# Altium PCB KitKTS.PcbDoc (part 1 of 2) (continued)
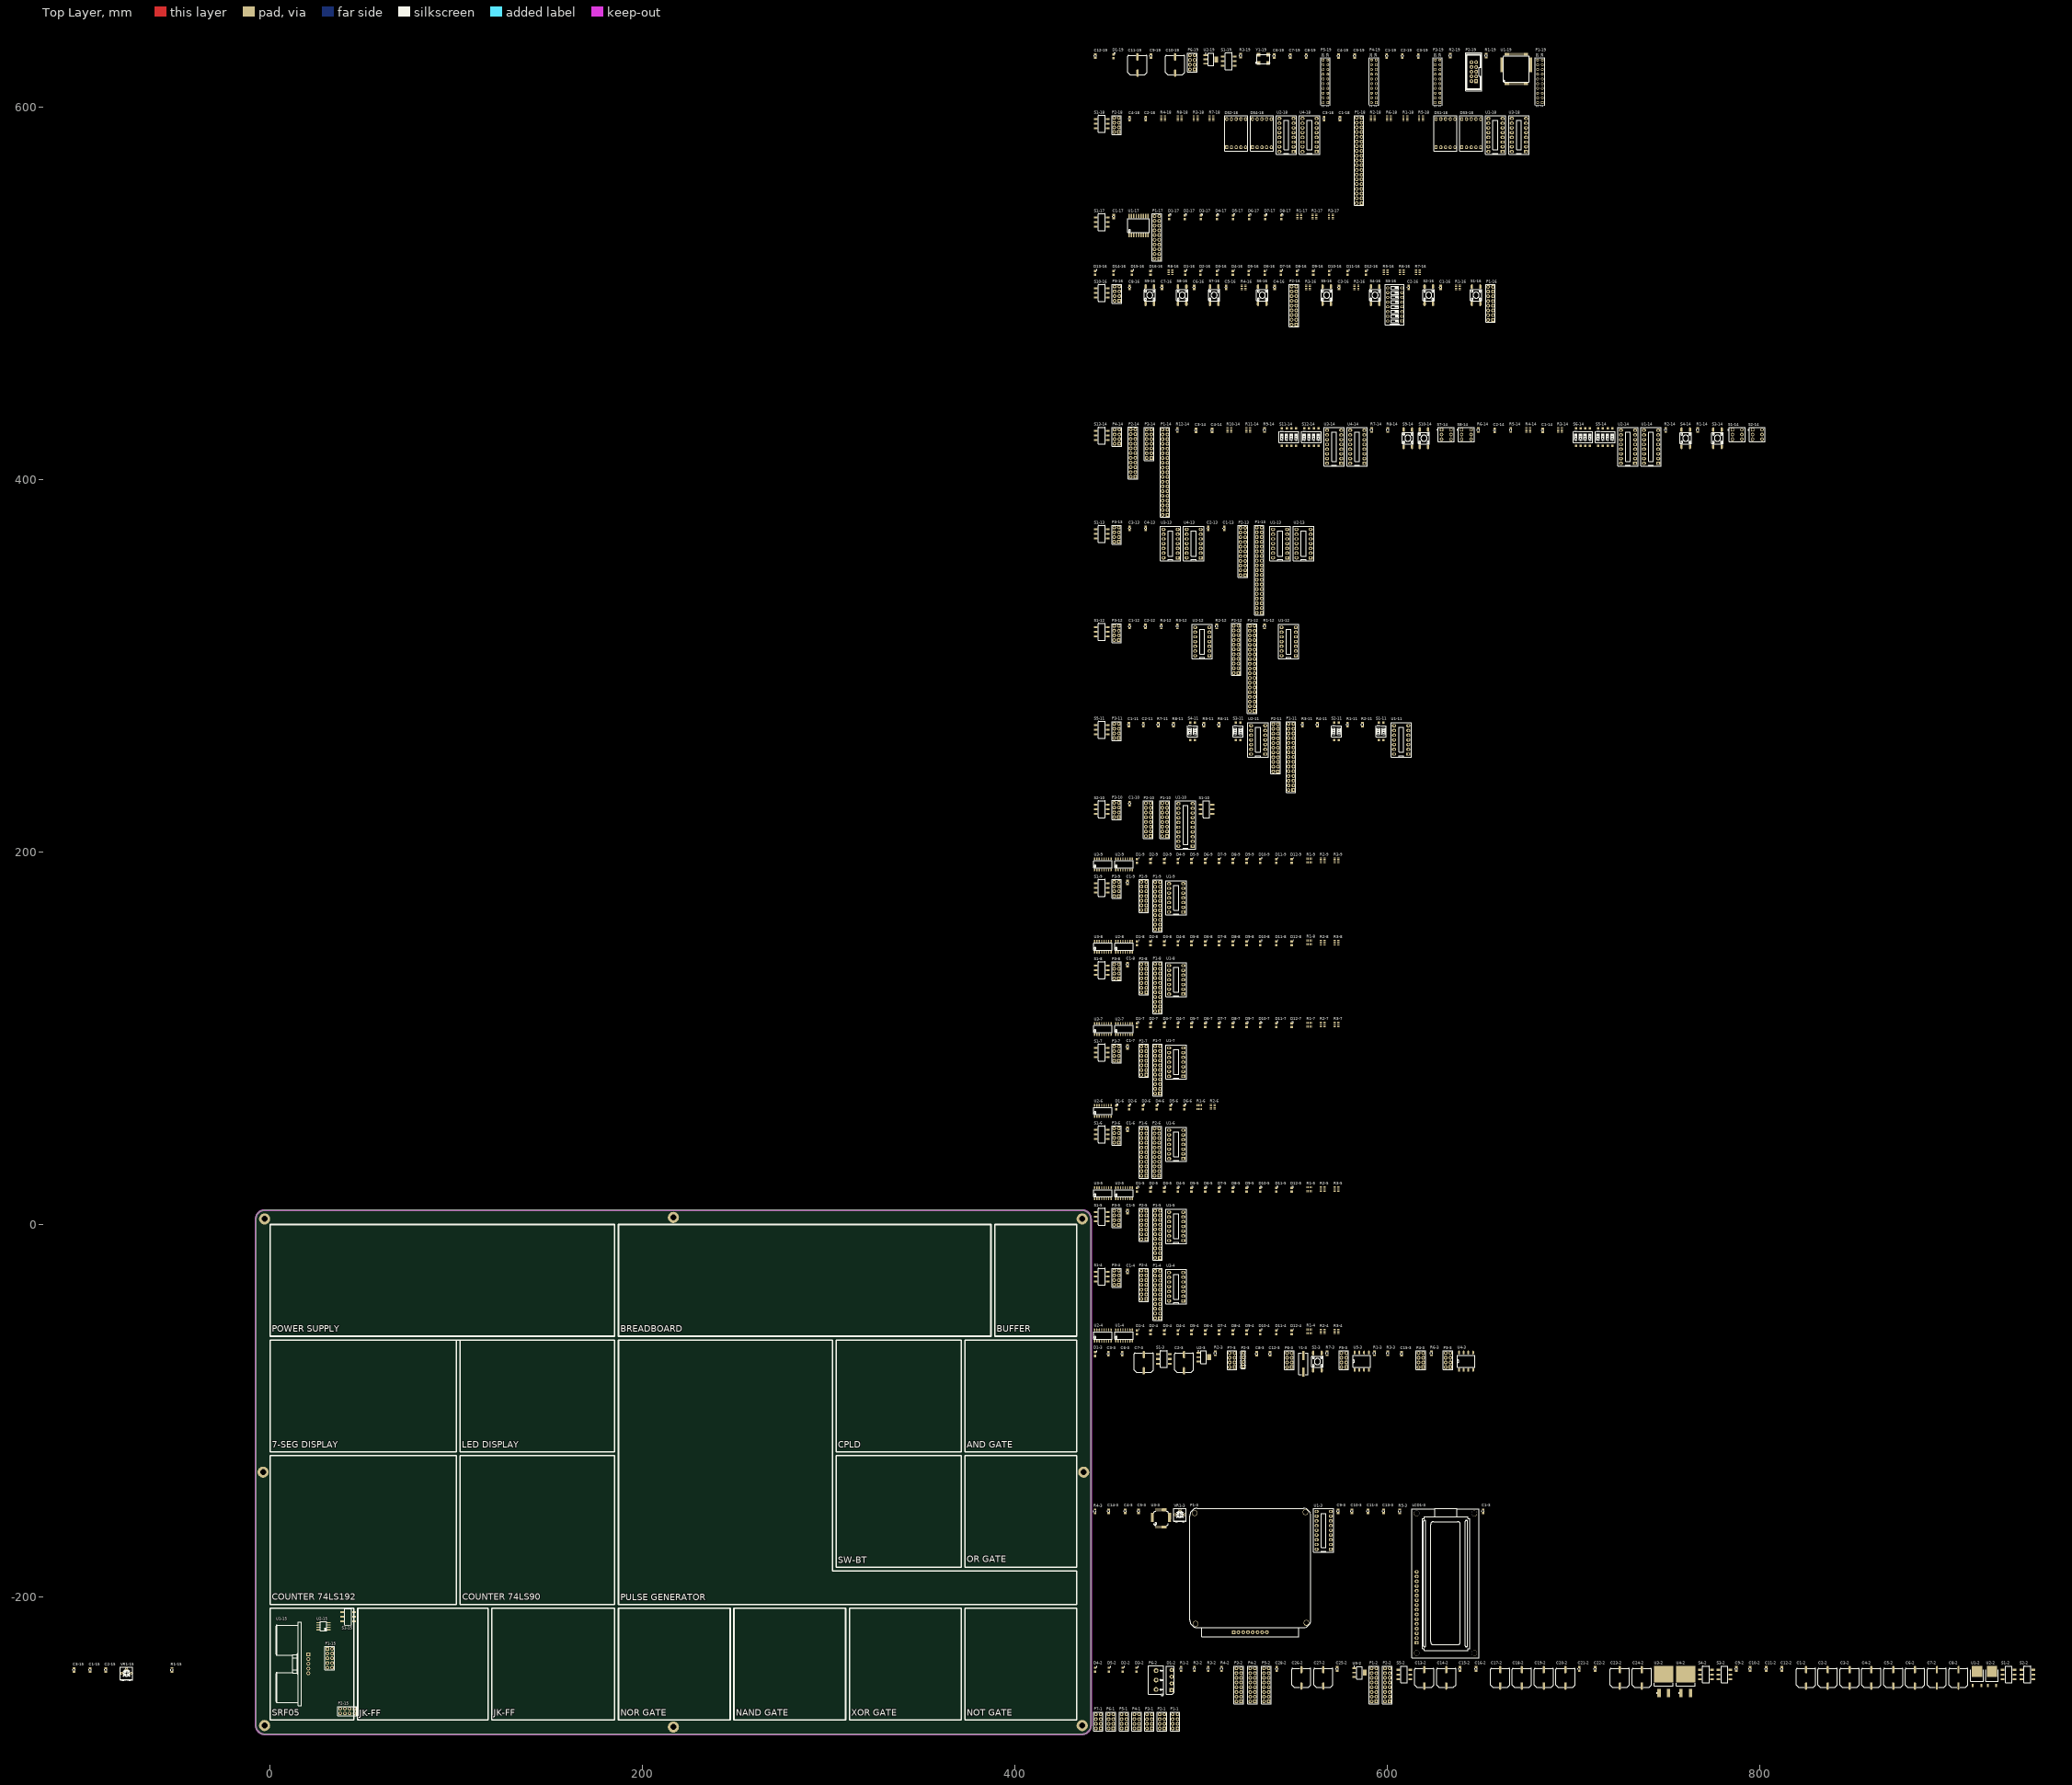
[diagram p0: Top Layer view]
## Components (designator, comment, footprint, x,y, rotation, side; value= is the part's Value field where it differs from the comment) (continued)
D6-9 "LED" LED-0805 502.067,195.189 r90 top
D6-16 "LED" LED-0805 534.067,510.988 r90 top
D6-17 "LED" LED-0805 525.667,540.788 r90 top
D7-4 "LED" LED-0805 509.467,-57.811 r90 top
D7-5 "LED" LED-0805 509.467,18.589 r90 top
D7-7 "LED" LED-0805 509.467,106.989 r90 top
D7-8 "LED" LED-0805 509.467,150.989 r90 top
D7-9 "LED" LED-0805 509.467,195.189 r90 top
D7-16 "LED" LED-0805 542.667,510.988 r90 top
D7-17 "LED" LED-0805 534.267,540.788 r90 top
D8-4 "LED" LED-0805 516.867,-57.811 r90 top
D8-5 "LED" LED-0805 516.867,18.589 r90 top
D8-7 "LED" LED-0805 516.867,106.989 r90 top
D8-8 "LED" LED-0805 516.867,150.989 r90 top
D8-9 "LED" LED-0805 516.867,195.189 r90 top
D8-16 "LED" LED-0805 551.267,510.988 r90 top
D8-17 "LED" LED-0805 542.867,540.788 r90 top
D9-4 "LED" LED-0805 524.267,-57.811 r90 top
D9-5 "LED" LED-0805 524.267,18.589 r90 top
D9-7 "LED" LED-0805 524.267,106.989 r90 top
D9-8 "LED" LED-0805 524.267,150.989 r90 top
D9-9 "LED" LED-0805 524.267,195.189 r90 top
D9-16 "LED" LED-0805 560.067,510.988 r90 top
D10-4 "LED" LED-0805 531.467,-57.811 r90 top
D10-5 "LED" LED-0805 531.467,18.589 r90 top
D10-7 "LED" LED-0805 531.467,106.989 r90 top
D10-8 "LED" LED-0805 531.467,150.989 r90 top
D10-9 "LED" LED-0805 531.467,195.189 r90 top
D10-16 "LED" LED-0805 568.667,510.988 r90 top
D11-4 "LED" LED-0805 540.267,-57.811 r90 top
D11-5 "LED" LED-0805 540.267,18.589 r90 top
D11-7 "LED" LED-0805 540.267,106.989 r90 top
D11-8 "LED" LED-0805 540.267,150.989 r90 top
D11-9 "LED" LED-0805 540.267,195.189 r90 top
D11-16 "LED" LED-0805 578.467,510.988 r90 top
D12-4 "LED" LED-0805 548.467,-57.811 r90 top
D12-5 "LED" LED-0805 548.467,18.589 r90 top
D12-7 "LED" LED-0805 548.467,106.989 r90 top
D12-8 "LED" LED-0805 548.467,150.989 r90 top
D12-9 "LED" LED-0805 548.467,195.189 r90 top
D12-16 "LED" LED-0805 588.267,510.988 r90 top
D13-16 "LED" LED-0805 442.867,510.988 r90 top
D14-16 "LED" LED-0805 452.867,510.988 r90 top
D15-16 "LED" LED-0805 462.667,510.988 r90 top
D16-16 "LED" LED-0805 472.667,510.988 r90 top
DS1-18 "Dpy Blue-CA" LED7-0.56inch 631.067,585.988 r0 top
DS2-18 "Dpy Blue-CA" LED7-0.56inch 518.667,585.988 r0 top
DS3-18 "Dpy Blue-CA" LED7-0.56inch 644.867,585.988 r0 top
DS4-18 "Dpy Blue-CA" LED7-0.56inch 532.467,585.988 r0 top
LCD1-3 "LCD1602" LCD-1602A 631.067,-192.611 r90 top
P1-1 "Header 4X2" JP2.54-F-2x04A 485.867,-266.81 r90 top
P1-2 "Header 8X2" JP2.54-F-2x08A 592.667,-247.21 r90 top value="Power Terminal"
P1-3 "Keypad4x4" KEYPAD-4x4A 526.267,-184.411 r0 top
P1-4 "Header 11X2" JP2.54-F-2x11A 476.467,-37.611 r90 top value="Logic AND Input"
P1-5 "Header 11X2" JP2.54-F-2x11A 476.467,-5.211 r90 top value="Logic OR Input"
P1-6 "Header 11X2" JP2.54-F-2x11A 469.067,38.789 r90 top value="Logic NOT Input"
P1-7 "Header 11X2" JP2.54-F-2x11A 476.467,82.989 r90 top value="Logic XOR Input"
P1-8 "Header 11X2" JP2.54-F-2x11A 476.467,127.189 r90 top value="Logic NAND Input"
P1-9 "Header 11X2" JP2.54-F-2x11A 476.467,171.189 r90 top value="Logic NOR Input"
P1-10 "Header 8X2" JP2.54-F-2x08A 480.267,217.389 r90 top value="Buffer Output"
P1-11 "Header 15X2" JP2.54-F-2x15A 548.067,250.989 r90 top value="D-FF Input"
P1-12 "Header 19X2" JP2.54-F-2x19A 527.267,299.788 r90 top value="JK-FF Input"
P1-13 "Header 19X2" JP2.54-F-2x19A 531.067,352.588 r90 top value="Counter Output"
P1-14 "Header 19X2" JP2.54-F-2x19A 480.467,405.188 r90 top value="Counter Output"
P1-15 "Header 5X2" JP2.54-F-2x05A 32,-232.88 r270 top value="SRF05 IO"
P1-16 "Header 8X2" JP2.54-F-2x08A 655.267,494.588 r90 top value="Switch Output"
P1-17 "H10X2" JP2.54-F-2x10A 476.067,529.988 r90 top value="Led Input"
P1-18 "Header 19X2" JP2.54-F-2x19A 584.667,572.588 r90 top value="Led7 Input"
P1-19 "H2" HDR2X10 683.067,602.388 r90 top value=IO
P2-1 "Header 4X2" JP2.54-F-2x04A 478.867,-266.81 r90 top
P2-2 "Header 8X2" JP2.54-F-2x08A 599.867,-247.21 r90 top value="Power Terminal"
P2-3 "H4" JP2.54-M-1x04A 522.467,-72.611 r90 top value=Programmer
P2-4 "H7X2" JP2.54-F-2x07A 469.067,-32.411 r90 top value="Logic AND Output"
P2-5 "H7X2" JP2.54-F-2x07A 469.067,-0.211 r90 top value="Logic OR Output"
P2-6 "Header 11X2" JP2.54-F-2x11A 476.067,38.789 r90 top value="Logic NOT Output"
P2-7 "H7X2" JP2.54-F-2x07A 469.067,87.989 r90 top value="Logic XOR Output"
P2-8 "H7X2" JP2.54-F-2x07A 469.067,132.189 r90 top value="Logic NAND Output"
P2-9 "H7X2" JP2.54-F-2x07A 469.067,176.389 r90 top value="Logic NOR Output"
P2-10 "Header 8X2" JP2.54-F-2x08A 471.467,217.389 r90 top value="Buffer Input"
P2-11 "Header 11X2" JP2.54-F-2x11A 539.867,255.989 r90 top value="D-FF Output"
P2-12 "Header 11X2" JP2.54-F-2x11A 518.667,308.788 r90 top value="JK-FF Output"
P2-13 "Header 11X2" JP2.54-F-2x11A 522.267,361.388 r90 top value="Counter Input"
P2-14 "Header 11X2" JP2.54-F-2x11A 463.267,414.188 r90 top value="Counter Input"
P2-15 "Header 4X2" JP2.54-F-2x04A 41.4,-261.28 r180 top
P2-16 "Header 9X2" JP2.54-F-2x09A 549.667,493.388 r90 top value="Button Output"
P2-18 "Header 4X2" JP2.54-F-2x04A 454.467,590.388 r90 top
P2-19 "IDE5x2" CONN-IDC-5X2-A 646.267,618.988 r90 top value="Jtag Conn"
P3-1 "Header 4X2" JP2.54-F-2x04A 472.067,-266.81 r90 top
P3-2 "Header 8X2" JP2.54-F-2x08A 520.067,-247.21 r90 top value="Power Terminal"
P3-3 "Header 4X2" JP2.54-F-2x04A 632.467,-72.811 r90 top
P3-4 "Header 4X2" JP2.54-F-2x04A 454.467,-28.611 r90 top
P3-5 "Header 4X2" JP2.54-F-2x04A 454.467,3.589 r90 top
P3-6 "Header 4X2" JP2.54-F-2x04A 454.467,47.789 r90 top
P3-7 "Header 4X2" JP2.54-F-2x04A 454.467,91.789 r90 top
P3-8 "Header 4X2" JP2.54-F-2x04A 454.467,135.989 r90 top
P3-9 "Header 4X2" JP2.54-F-2x04A 454.467,180.189 r90 top
P3-10 "Header 4X2" JP2.54-F-2x04A 454.467,222.589 r90 top
P3-11 "Header 4X2" JP2.54-F-2x04A 454.467,264.989 r90 top
P3-12 "Header 4X2" JP2.54-F-2x04A 454.467,317.588 r90 top
P3-13 "Header 4X2" JP2.54-F-2x04A 454.467,370.388 r90 top
P3-14 "Header 7X2" JP2.54-F-2x07A 471.867,419.188 r90 top value="Clock Output"
P3-16 "Header 4X2" JP2.54-F-2x04A 454.667,499.788 r90 top
P3-19 "H2" HDR2X10 628.067,602.388 r90 top value=IO
P4-1 "Header 4X2" JP2.54-F-2x04A 465.267,-266.81 r90 top
P4-2 "Header 8X2" JP2.54-F-2x08A 527.467,-247.21 r90 top value="Power Terminal"
P4-3 "Header 4X2" JP2.54-F-2x04A 617.867,-72.811 r90 top
P4-14 "Header 4X2" JP2.54-F-2x04A 454.667,422.988 r90 top
P4-19 "H2" HDR2X10 593.867,602.388 r90 top value=IO
P5-1 "Header 4X2" JP2.54-F-2x04A 458.467,-266.81 r90 top
P5-2 "Header 8X2" JP2.54-F-2x08A 534.867,-247.21 r90 top value="Power Terminal"
P5-3 "Header 4X2" JP2.54-F-2x04A 576.467,-72.811 r90 top
P5-19 "H2" HDR2X10 567.867,602.388 r90 top value=IO
P6-1 "Header 4X2" JP2.54-F-2x04A 451.467,-266.81 r90 top
P6-2 "H3" TER-KF128-3 475.667,-244.61 r90 top value="Power Supply"
P6-3 "Header 4X2" JP2.54-F-2x04A 547.267,-72.811 r90 top
P6-19 "Header 4X2" JP2.54-F-2x04A 495.067,623.988 r90 top
P7-1 "Header 4X2" JP2.54-F-2x04A 444.667,-266.81 r90 top
P7-3 "Header 4X2" JP2.54-F-2x04A 516.467,-72.811 r90 top
R1-2 "332" R-0805 489.067,-238.61 r90 top value=3K3
R1-3 "Res1" R-0805 592.867,-69.211 r90 top value=10K
R1-4 "330R" R-Array-0603-4 557.867,-57.411 r0 top
R1-5 "330R" R-Array-0603-4 557.867,18.989 r0 top
R1-6 "330R" R-Array-0603-4 498.867,62.989 r0 top
R1-7 "330R" R-Array-0603-4 557.867,107.189 r0 top
R1-8 "330R" R-Array-0603-4 557.867,151.389 r0 top
R1-9 "330R" R-Array-0603-4 557.867,195.389 r0 top
R1-11 "10K" R-0805 578.467,268.389 r90 top
R1-12 "10K" R-0805 533.867,321.188 r90 top
R1-14 "10K" R-0805 766.467,426.588 r90 top
R1-15 "562" R-0805 -52.73,-239.2 r90 top value=5K6
R1-16 "103" R-Array-0603-4 637.667,503.188 r90 top value=10K
R1-17 "330R" R-Array-0603-4 552.467,541.188 r90 top
R1-18 "220R" R-Array-0603-4 609.467,593.988 r90 top
R1-19 "10K" R-0805 652.867,627.588 r90 top
R2-2 "331" R-0805 496.267,-238.61 r90 top value=330R
R2-3 "331" R-0805 507.467,-69.211 r90 top value=330R
R2-4 "330R" R-Array-0603-4 565.067,-57.411 r90 top
R2-5 "330R" R-Array-0603-4 565.067,18.989 r90 top
R2-6 "330R" R-Array-0603-4 506.067,63.189 r90 top
R2-7 "330R" R-Array-0603-4 565.067,107.389 r90 top
R2-8 "330R" R-Array-0603-4 565.067,151.389 r90 top
R2-9 "330R" R-Array-0603-4 565.067,195.589 r90 top
R2-11 "10K" R-0805 586.467,268.389 r90 top
R2-12 "10K" R-0805 508.267,321.188 r90 top
R2-14 "10K" R-0805 749.267,426.588 r90 top
R2-16 "103" R-Array-0603-4 583.267,503.188 r90 top value=10K
R2-17 "330R" R-Array-0603-4 560.667,541.188 r90 top
R2-18 "220R" R-Array-0603-4 592.067,593.988 r90 top
R2-19 "1K" R-0805 633.667,627.588 r90 top
R3-2 "332" R-0805 503.667,-238.61 r90 top value=3K3
R3-3 "47R" R-0805 600.067,-69.211 r90 top
R3-4 "330R" R-Array-0603-4 572.467,-57.411 r90 top
R3-5 "330R" R-Array-0603-4 572.467,18.989 r90 top
R3-7 "330R" R-Array-0603-4 572.467,107.389 r90 top
R3-8 "330R" R-Array-0603-4 572.467,151.389 r90 top
R3-9 "330R" R-Array-0603-4 572.467,195.589 r90 top
R3-11 "10K" R-0805 554.267,268.389 r90 top
R3-12 "10K" R-0805 487.067,321.188 r90 top
R3-14 "10K" R-Array-0603-4 692.467,426.588 r90 top
R3-16 "103" R-Array-0603-4 557.267,503.188 r90 top value=10K
R3-17 "330R" R-Array-0603-4 569.467,541.188 r90 top
R3-18 "220R" R-Array-0603-4 496.867,593.988 r90 top
R3-19 "331" R-0805 521.067,627.588 r90 top value=330R
R4-2 "331" R-0805 510.867,-238.61 r90 top value=330R
R4-3 "47R" R-0805 442.867,-154.011 r90 top
R4-11 "10K" R-0805 562.267,268.389 r90 top
R4-12 "10K" R-0805 478.467,321.188 r90 top
R4-14 "10K" R-Array-0603-4 675.467,426.588 r90 top
R4-16 "103" R-Array-0603-4 522.667,503.188 r90 top value=10K
R4-18 "220R" R-Array-0603-4 479.467,593.988 r90 top
R5-3 "220R" R-0805 606.467,-154.011 r90 top
R5-11 "10K" R-0805 501.267,268.389 r90 top
R5-14 "10K" R-0805 666.067,426.588 r90 top
R5-16 "220R" R-Array-0603-4 598.867,511.388 r90 top
R5-18 "220R" R-Array-0603-4 617.867,593.988 r90 top
R6-3 "Res1" R-0805 623.467,-69.211 r90 top value=10K
R6-11 "10K" R-0805 509.467,268.389 r90 top
R6-14 "10K" R-0805 648.667,426.588 r90 top
R6-16 "220R" R-Array-0603-4 607.667,511.388 r90 top
R6-18 "220R" R-Array-0603-4 600.667,593.988 r90 top
R7-3 "Res1" R-0805 567.467,-69.211 r90 top value=10K
R7-11 "10K" R-0805 476.867,268.389 r90 top
R7-14 "10K" R-0805 591.467,426.588 r90 top
R7-16 "220R" R-Array-0603-4 616.267,511.388 r90 top
R7-18 "220R" R-Array-0603-4 505.467,593.988 r90 top
R8-11 "10K" R-0805 485.067,268.389 r90 top
R8-14 "10K" R-0805 600.067,426.588 r90 top
R8-16 "220R" R-Array-0603-4 483.467,511.388 r90 top
R8-18 "220R" R-Array-0603-4 488.267,593.988 r90 top
R9-14 "10K" R-0805 533.867,426.588 r90 top
R10-14 "10K" R-Array-0603-4 515.067,426.588 r90 top
R11-14 "10K" R-Array-0603-4 525.067,426.588 r90 top
R12-14 "10K" R-0805 487.067,426.588 r90 top
S1-2 "SW-SPDT" SW-SLIDE-2P-2W 933.466,-241.61 r0 top
S1-3 "SW-SPDT" SW-SLIDE-2P-2W 479.867,-72.211 r0 top
S1-4 "SW-SPDT" SW-SLIDE-2P-2W 446.467,-28.011 r0 top
S1-5 "SW-SPDT" SW-SLIDE-2P-2W 446.467,4.189 r0 top
S1-6 "SW-SPDT" SW-SLIDE-2P-2W 446.467,48.389 r0 top
S1-7 "SW-SPDT" SW-SLIDE-2P-2W 446.467,92.389 r0 top
S1-8 "SW-SPDT" SW-SLIDE-2P-2W 446.467,136.589 r0 top
S1-9 "SW-SPDT" SW-SLIDE-2P-2W 446.467,180.789 r0 top
S1-10 "SW-SPDT" SW-SLIDE-2P-2W 502.667,222.989 r0 top
S1-11 "SW DIP-2" SW-DIP2-SMD 596.467,264.789 r0 top
S1-12 "SW-SPDT" SW-SLIDE-2P-2W 446.467,318.188 r0 top
S1-13 "SW-SPDT" SW-SLIDE-2P-2W 446.467,370.788 r0 top
S1-14 "SW-DPDT" DPDT-6 787.667,424.188 r0 top
S1-15 "SW-SPDT" SW-SLIDE-2P-2W 41.8,-210.68 r180 top
S1-16 "SW-S6" SW-T-S6-SMD 647.467,498.988 r0 top
S1-17 "SW-SPDT" SW-SLIDE-2P-2W 446.467,538.188 r0 top
S1-18 "SW-SPDT" SW-SLIDE-2P-2W 446.467,590.988 r0 top
S1-19 "SW-SPDT" SW-SLIDE-2P-2W 514.667,624.588 r0 top
S2-2 "SW-SPDT" SW-SLIDE-2P-2W 943.466,-241.61 r0 top
S2-3 "SW-S6" SW-T-S6-SMD 562.267,-73.611 r0 top value=Reset
S2-10 "SW-SPDT" SW-SLIDE-2P-2W 446.467,222.989 r0 top
S2-11 "SW DIP-2" SW-DIP2-SMD 572.467,264.789 r0 top
S2-14 "SW-DPDT" DPDT-6 798.467,424.188 r0 top
S2-16 "SW-S6" SW-T-S6-SMD 622.067,498.988 r0 top
S3-2 "SW-SPDT" SW-SLIDE-2P-2W 780.867,-241.61 r0 top
S3-11 "SW DIP-2" SW-DIP2-SMD 519.667,264.789 r0 top
S3-14 "SW-S6" SW-T-S6-SMD 777.067,422.188 r0 top value=PreSet
S3-16 "SW DIP-8" SW-DIP8 603.867,493.988 r90 top
S4-2 "SW-SPDT" SW-SLIDE-2P-2W 770.867,-241.61 r0 top
S4-11 "SW DIP-2" SW-DIP2-SMD 495.267,264.789 r0 top
S4-14 "SW-S6" SW-T-S6-SMD 760.067,422.188 r0 top value=PreSet
S4-16 "SW-S6" SW-T-S6-SMD 593.267,498.988 r0 top
S5-2 "SW-SPDT" SW-SLIDE-2P-2W 608.867,-241.61 r0 top
S5-11 "SW-SPDT" SW-SLIDE-2P-2W 446.467,265.589 r0 top
S5-14 "SW DIP-4" SW-DIP4-SMD 716.867,422.788 r0 top value="PreSet Bits"
S5-16 "SW-S6" SW-T-S6-SMD 567.267,498.988 r0 top
S6-14 "SW DIP-4" SW-DIP4-SMD 704.867,422.788 r0 top value="PreSet Bits"
S6-16 "SW-S6" SW-T-S6-SMD 532.667,498.988 r0 top
S7-14 "SW-DPDT" DPDT-6 631.467,424.188 r0 top
S7-16 "SW-S6" SW-T-S6-SMD 506.867,498.988 r0 top
S8-14 "SW-DPDT" DPDT-6 642.267,424.188 r0 top
S8-16 "SW-S6" SW-T-S6-SMD 489.667,498.988 r0 top
S9-14 "SW-S6" SW-T-S6-SMD 610.867,422.188 r0 top value=PreSet
S9-16 "SW-S6" SW-T-S6-SMD 472.267,498.988 r0 top
S10-14 "SW-S6" SW-T-S6-SMD 619.467,422.188 r0 top value=PreSet
S10-16 "SW-SPDT" SW-SLIDE-2P-2W 446.467,500.188 r0 top
S11-14 "SW DIP-4" SW-DIP4-SMD 547.067,422.788 r0 top value="PreSet Bits"
S12-14 "SW DIP-4" SW-DIP4-SMD 559.067,422.788 r0 top value="PreSet Bits"
S13-14 "SW-SPDT" SW-SLIDE-2P-2W 446.467,423.588 r0 top
U1-2 "78M12" TO-252-3 916.466,-243.81 r90 top
U1-3 "MM74C922N" SK-DIP18-300 565.667,-164.211 r90 top
U1-4 "ULN2003A" SOIC-16 458.467,-59.611 r0 top
U1-5 "SN74HC32N" SK-DIP14-300 486.467,-1.011 r90 top
U1-6 "SN74HC04N" SK-DIP14-300 486.467,42.989 r90 top
U1-7 "CD4030CN" SK-DIP14-300 486.467,87.189 r90 top
U1-8 "SN74HC00N" SK-DIP14-300 486.467,131.389 r90 top
U1-9 "SN74HC02N" SK-DIP14-300 486.467,175.389 r90 top
U1-10 "DM74HC245N" SK-DIP20-300 491.467,214.589 r90 top
U1-11 "CD4013BCN" SK-DIP14-300 607.267,260.189 r90 top
U1-12 "DM74LS73AN" SK-DIP14-300 546.867,312.988 r90 top
U1-13 "DM74LS90N" SK-DIP14-300 542.267,365.588 r90 top
U1-14 "SN74LS192N" SK-DIP16-300 741.467,417.588 r90 top
U1-15 "HY-SRF05" MDL-SRF05A 11.8,-235.88 r270 top
U1-17 "ULN2803LW" SOIC-18-W 466.267,536.388 r0 top
U1-18 "DM74LS47N" SK-DIP16-300 657.867,584.988 r90 top
U1-19 "EPM240T100C5N" TQFP-100 669.067,620.388 r0 top
U2-2 "78M05" TO-252-3 924.466,-243.81 r90 top
U2-3 "LM1117-3.3" SOT-223-3 501.267,-71.211 r0 top
U2-4 "ULN2003A" SOIC-16 447.067,-59.611 r0 top
U2-5 "ULN2003A" SOIC-16 458.467,16.789 r0 top
U2-6 "ULN2003A" SOIC-16 447.067,60.989 r0 top
U2-7 "ULN2003A" SOIC-16 458.467,104.989 r0 top
U2-8 "ULN2003A" SOIC-16 458.467,149.189 r0 top
U2-9 "ULN2003A" SOIC-16 458.467,193.389 r0 top
U2-11 "CD4013BCN" SK-DIP14-300 530.467,260.189 r90 top
U2-12 "DM74LS73AN" SK-DIP14-300 500.467,312.988 r90 top
U2-13 "DM74LS90N" SK-DIP14-300 554.867,365.588 r90 top
U2-14 "SN74LS192N" SK-DIP16-300 729.067,417.588 r90 top
U2-15 "NE555D" SOIC-8 28.6,-215.68 r180 top
U2-18 "DM74LS47N" SK-DIP16-300 545.667,584.988 r90 top
U2-19 "LM1117-3.3" SOT-223-3 505.067,625.588 r0 top
U3-2 "LM7912CT" TO-263-3 748.267,-245.41 r90 top
U3-3 "STM32F103C8T6" LQFP-48 478.267,-157.811 r0 top
U3-4 "MC74HC08AN" SK-DIP14-300 486.467,-33.411 r90 top
U3-5 "ULN2003A" SOIC-16 447.067,16.789 r0 top
U3-7 "ULN2003A" SOIC-16 447.067,104.989 r0 top
U3-8 "ULN2003A" SOIC-16 447.067,149.189 r0 top
U3-9 "ULN2003A" SOIC-16 447.067,193.389 r0 top
U3-13 "DM74LS90N" SK-DIP14-300 483.467,365.588 r90 top
U3-14 "SN74LS192N" SK-DIP16-300 571.267,417.588 r90 top
U3-18 "DM74LS47N" SK-DIP16-300 670.467,584.988 r90 top
U4-2 "LM7905CT" TO-263-3 760.067,-245.41 r90 top
U4-3 "OPTO 6N137" DIP8-300-SMD 642.067,-73.411 r0 top value=6N137
U4-13 "DM74LS90N" SK-DIP14-300 495.867,365.588 r90 top
U4-14 "SN74LS192N" SK-DIP16-300 583.667,417.588 r90 top
U4-18 "DM74LS47N" SK-DIP16-300 558.067,584.988 r90 top
U5-2 "LM1117-3.3" SOT-223-3 584.867,-240.61 r0 top
U5-3 "OPTO 6N137" DIP8-300-SMD 586.067,-73.411 r0 top value=6N137
VR1-3 "10K" VR-3362P 488.467,-155.811 r0 top
VR1-15 "50K" VR-3362P -77.13,-241 r0 top
Y1-3 "8MHz" XTAL-CSM7 554.667,-74.811 r90 top
Y1-19 "50MHz" XTAL-SMD5070 533.267,625.788 r0 top

## Footprints (in the part's own frame and the unit in brackets; to place one, negate y for a bottom-side part, rotate by r counter-clockwise, add the part's x,y. Pads: shape width x height; smd on the part's side, far side on the other; paste and mask are expansions set on the pad)
c-0805 [mm] "Chip Capacitor, 2-Leads, Body 2.0x1.3mm, IPC Medium Density"
  rect 1.15x1.4 smd: 1(-0.925,0) 2(0.925,0)
  silkscreen extent -0.22,-0.6 0.23,0.6, body extent -1,-0.63 1,0.63, height 0.5
C-ALU-10x10mm [mm] "C-10x10mm"
  oval 1.2x4 smd: 1(0,-4.374) 2(0,4.374)
  silkscreen extent -5.15,-5.15 5.15,5.15, body extent -5.15,-5.65 5.15,5.65, height 10.01
CONN-IDC-5X2-A [mm]
  rect 2x2 hole 1: 1(-5.08,-1.27)
  round 2 hole 1: 2(-5.08,1.27) 3(-2.54,-1.27) 4(-2.54,1.27) 5(0,-1.27) 6(0,1.27) 7(2.54,-1.27) 8(2.54,1.27) 9(5.08,-1.27) 10(5.08,1.27)
  silkscreen extent -10.15,-4.35 10.15,4.6, body extent -10.15,-4.48 10.15,4.48, height 9
D-DB-3A [mm] "KBP307"
  rect 2.2x2.2 hole 1: 1(-5.4,-0.73)
  round 2.2 hole 1: 2(-1.8,-0.73) 3(1.8,-0.73) 4(5.4,-0.73)
  silkscreen extent -7.5,-2 7.5,2, body extent -7.5,-2 7.5,2, height 12.68
DIP8-300-SMD [mm]
  rect 1x2 smd: 1(-3.81,-4.666)
  oval 1x2 smd: 2(-1.27,-4.666) 3(1.27,-4.666) 4(3.81,-4.666) 5(3.81,4.666) 6(1.27,4.666) 7(-1.27,4.666) 8(-3.81,4.666)
  silkscreen extent -4.69,-3.23 4.7,3.24, body extent -4.69,-5.05 4.7,5.05, height 4.43
DPDT-6 [mm] "Switch; 6 Leads"
  rect 1.85x1.85 hole 1.1: 1(-2.54,2.54)
  round 1.85 hole 1.1: 2(-2.54,0) 3(-2.54,-2.54) 4(2.54,-2.54) 5(2.54,0) 6(2.54,2.54)
  silkscreen extent -4.96,-3.81 4.28,3.81
HDR2X10 [mm] "Connector; Header; 10x2 Position"
  rect 1.5x1.5 hole 0.9: 1(0,0)
  round 1.5 hole 0.9: 2(0,2.54) 3(2.54,0) 4(2.54,2.54) 5(5.08,0) 6(5.08,2.54) 7(7.62,0) 8(7.62,2.54) 9(10.16,0) 10(10.16,2.54) 11(12.7,0) 12(12.7,2.54) 13(15.24,0) 14(15.24,2.54) 15(17.78,0) 16(17.78,2.54) 17(20.32,0) 18(20.32,2.54) 19(22.86,0) 20(22.86,2.54)
  silkscreen extent -1.27,-1.27 24.13,3.81
JP2.54-F-2x04A [mm] "Header rang luoc cai, kep, thang, 2.54mm"
  rect 2x2 hole 1: 1(-3.81,-1.27)
  round 2 hole 1: 2(-3.81,1.27) 3(-1.27,-1.27) 4(-1.27,1.27) 5(1.27,-1.27) 6(1.27,1.27) 7(3.81,-1.27) 8(3.81,1.27)
  silkscreen extent -5.08,-2.54 5.08,2.54, body extent -5.08,-2.54 5.08,2.54, height 8.55
JP2.54-F-2x05A [mm] "Header rang luoc cai, kep, thang, 2.54mm"
  rect 2x2 hole 1: 1(-5.08,-1.27)
  round 2 hole 1: 2(-5.08,1.27) 3(-2.54,-1.27) 4(-2.54,1.27) 5(0,-1.27) 6(0,1.27) 7(2.54,-1.27) 8(2.54,1.27) 9(5.08,-1.27) 10(5.08,1.27)
  silkscreen extent -6.35,-2.54 6.35,2.54, body extent -6.35,-2.54 6.35,2.54, height 8.55
JP2.54-F-2x07A [mm] "Header rang luoc cai, kep, thang, 2.54mm"
  rect 2x2 hole 1: 1(-7.62,-1.27)
  round 2 hole 1: 2(-7.62,1.27) 3(-5.08,-1.27) 4(-5.08,1.27) 5(-2.54,-1.27) 6(-2.54,1.27) 7(0,-1.27) 8(0,1.27) 9(2.54,-1.27) 10(2.54,1.27) 11(5.08,-1.27) 12(5.08,1.27) 13(7.62,-1.27) 14(7.62,1.27)
  silkscreen extent -8.89,-2.54 8.88,2.54, body extent -8.89,-2.54 8.89,2.54, height 8.55
JP2.54-F-2x08A [mm] "Header rang luoc cai, kep, thang, 2.54mm"
  rect 2x2 hole 1: 1(-8.89,-1.27)
  round 2 hole 1: 2(-8.89,1.27) 3(-6.35,-1.27) 4(-6.35,1.27) 5(-3.81,-1.27) 6(-3.81,1.27) 7(-1.27,-1.27) 8(-1.27,1.27) 9(1.27,-1.27) 10(1.27,1.27) 11(3.81,-1.27) 12(3.81,1.27) 13(6.35,-1.27) 14(6.35,1.27) 15(8.89,-1.27) 16(8.89,1.27)
  silkscreen extent -10.16,-2.54 10.16,2.54, body extent -10.16,-2.54 10.16,2.54, height 8.55
JP2.54-F-2x09A [mm] "Header rang luoc cai, kep, thang, 2.54mm"
  rect 2x2 hole 1: 1(-10.16,-1.27)
  round 2 hole 1: 2(-10.16,1.27) 3(-7.62,-1.27) 4(-7.62,1.27) 5(-5.08,-1.27) 6(-5.08,1.27) 7(-2.54,-1.27) 8(-2.54,1.27) 9(0,-1.27) 10(0,1.27) 11(2.54,-1.27) 12(2.54,1.27) 13(5.08,-1.27) 14(5.08,1.27) 15(7.62,-1.27) 16(7.62,1.27) 17(10.16,-1.27) 18(10.16,1.27)
  silkscreen extent -11.43,-2.54 11.44,2.54, body extent -11.43,-2.54 11.43,2.54, height 8.55
JP2.54-F-2x10A [mm] "Header rang luoc cai, kep, thang, 2.54mm"
  rect 2x2 hole 1: 1(-11.43,-1.27)
  round 2 hole 1: 2(-11.43,1.27) 3(-8.89,-1.27) 4(-8.89,1.27) 5(-6.35,-1.27) 6(-6.35,1.27) 7(-3.81,-1.27) 8(-3.81,1.27) 9(-1.27,-1.27) 10(-1.27,1.27) 11(1.27,-1.27) 12(1.27,1.27) 13(3.81,-1.27) 14(3.81,1.27) 15(6.35,-1.27) 16(6.35,1.27) 17(8.89,-1.27) 18(8.89,1.27) 19(11.43,-1.27) 20(11.43,1.27)
  silkscreen extent -12.7,-2.54 12.7,2.54, body extent -12.7,-2.54 12.7,2.54, height 8.55
JP2.54-F-2x11A [mm] "Header rang luoc cai, kep, thang, 2.54mm"
  rect 2x2 hole 1: 1(-12.7,-1.27)
  round 2 hole 1: 2(-12.7,1.27) 3(-10.16,-1.27) 4(-10.16,1.27) 5(-7.62,-1.27) 6(-7.62,1.27) 7(-5.08,-1.27) 8(-5.08,1.27) 9(-2.54,-1.27) 10(-2.54,1.27) 11(0,-1.27) 12(0,1.27) 13(2.54,-1.27) 14(2.54,1.27) 15(5.08,-1.27) 16(5.08,1.27) 17(7.62,-1.27) 18(7.62,1.27) 19(10.16,-1.27) 20(10.16,1.27) 21(12.7,-1.27) 22(12.7,1.27)
  silkscreen extent -13.97,-2.54 13.97,2.54, body extent -13.97,-2.54 13.97,2.54, height 8.55
JP2.54-F-2x15A [mm] "Header rang luoc cai, kep, thang, 2.54mm"
  rect 2x2 hole 1: 1(-17.78,-1.27)
  round 2 hole 1: 2(-17.78,1.27) 3(-15.24,-1.27) 4(-15.24,1.27) 5(-12.7,-1.27) 6(-12.7,1.27) 7(-10.16,-1.27) 8(-10.16,1.27) 9(-7.62,-1.27) 10(-7.62,1.27) 11(-5.08,-1.27) 12(-5.08,1.27) 13(-2.54,-1.27) 14(-2.54,1.27) 15(0,-1.27) 16(0,1.27) 17(2.54,-1.27) 18(2.54,1.27) 19(5.08,-1.27) 20(5.08,1.27) 21(7.62,-1.27) 22(7.62,1.27) 23(10.16,-1.27) 24(10.16,1.27) 25(12.7,-1.27) 26(12.7,1.27) 27(15.24,-1.27) 28(15.24,1.27) 29(17.78,-1.27) 30(17.78,1.27)
  silkscreen extent -19.05,-2.54 19.05,2.54, body extent -19.05,-2.54 19.05,2.54, height 8.55
JP2.54-F-2x19A [mm] "Header rang luoc cai, kep, thang, 2.54mm"
  rect 2x2 hole 1: 1(-24.13,-1.27)
  round 2 hole 1: 2(-24.13,1.27) 3(-21.59,-1.27) 4(-21.59,1.27) 5(-19.05,-1.27) 6(-19.05,1.27) 7(-16.51,-1.27) 8(-16.51,1.27) 9(-13.97,-1.27) 10(-13.97,1.27) 11(-11.43,-1.27) 12(-11.43,1.27) 13(-8.89,-1.27) 14(-8.89,1.27) 15(-6.35,-1.27) 16(-6.35,1.27) 17(-3.81,-1.27) 18(-3.81,1.27) 19(-1.27,-1.27) 20(-1.27,1.27) 21(1.27,-1.27) 22(1.27,1.27) 23(3.81,-1.27) 24(3.81,1.27) 25(6.35,-1.27) 26(6.35,1.27) 27(8.89,-1.27) 28(8.89,1.27) 29(11.43,-1.27) 30(11.43,1.27) 31(13.97,-1.27) 32(13.97,1.27) 33(16.51,-1.27) 34(16.51,1.27) 35(19.05,-1.27) 36(19.05,1.27) 37(21.59,-1.27) 38(21.59,1.27)
  silkscreen extent -25.4,-2.54 22.86,2.54, body extent -25.4,-2.54 22.86,2.54, height 8.55
JP2.54-M-1x04A [mm] "Jump luoc duc, 2.54mm, thang,"
  rect 2x2 hole 1: 1(-3.79,0)
  round 2 hole 1: 2(-1.25,0) 3(1.29,0) 4(3.83,0)
  silkscreen extent -4.79,-1.18 4.83,1.17, body extent -4.79,-1.17 4.83,1.18, height 7.75
KEYPAD-4x4A [mm] "65x64x9.8mm"
  rect 2x2 hole 1: 1(-8.89,-34.5)
  round 2 hole 1: 2(-6.35,-34.5) 3(-3.81,-34.5) 4(-1.27,-34.5) 5(1.27,-34.5) 6(3.81,-34.5) 7(6.35,-34.5) 8(8.89,-34.5)
  silkscreen extent -32.5,-37 32.5,32, body extent -32.5,-37 32.5,32, height 9.9
LCD-1602A [mm]
  rect 1.8x2.25 hole 1: 1(-32,15.47)
  oval 1.8x2.25 hole 1: 2(-29.46,15.47) 3(-26.92,15.47) 4(-24.38,15.47) 5(-21.84,15.47) 6(-19.3,15.47) 7(-16.76,15.47) 8(-14.22,15.47) 9(-11.68,15.47) 10(-9.14,15.47) 11(-6.6,15.47) 12(-4.06,15.47) 13(-1.52,15.47) 14(1.02,15.47) 15(3.56,15.47) 16(6.1,15.47)
  round 3 hole 3: HM1(-37.5,-15.5) HM2(37.5,-15.5) HM3(37.5,15.5) HM4(-37.5,15.5)
  silkscreen extent -40,-18 40.25,18, body extent -40,-18 40.25,18, height 12.4
LED7-0.56inch [mm] "X=13mm, Y=19mm"
  rect 1.7x2 hole 1: 1(-5.08,-7.62)
  oval 1.7x2 hole 1: 2(-2.54,-7.62) 3(0.048,-7.62) 4(2.54,-7.62) 5(5.08,-7.62) 6(5.08,7.62) 7(2.54,7.62) 8(0,7.62) 9(-2.54,7.62) 10(-5.08,7.62)
  silkscreen extent -6.17,-9.63 6.18,9.37, body extent -6.17,-9.63 6.18,9.37, height 8
LED-0805 [mm]
  rect 1.3x1.3 smd: 1(-1,0)
  rect 1.2x1.3 smd: 2(1,0)
  silkscreen extent 1,-1 2,0, body extent -1.01,-0.63 1.01,0.62, height 1.1
LQFP-48 [mm]
  oval 0.3x1.6 smd: 1(-2.75,-4.616) 2(-2.25,-4.616) 3(-1.75,-4.616) 4(-1.25,-4.616) 5(-0.75,-4.616) 6(-0.25,-4.616) 7(0.25,-4.616) 8(0.75,-4.616) 9(1.25,-4.616) 10(1.75,-4.616) 11(2.25,-4.616) 12(2.75,-4.616) 25(2.75,4.616) 26(2.25,4.616) 27(1.75,4.616) 28(1.25,4.616) 29(0.75,4.616) 30(0.25,4.616) 31(-0.25,4.616) 32(-0.75,4.616) 33(-1.25,4.616) 34(-1.75,4.616) 35(-2.25,4.616) 36(-2.75,4.616)
  oval 1.6x0.3 smd: 13(4.616,-2.75) 14(4.616,-2.25) 15(4.616,-1.75) 16(4.616,-1.25) 17(4.616,-0.75) 18(4.616,-0.25) 19(4.616,0.25) 20(4.616,0.75) 21(4.616,1.25) 22(4.616,1.75) 23(4.616,2.25) 24(4.616,2.75) 37(-4.616,2.75) 38(-4.616,2.25) 39(-4.616,1.75) 40(-4.616,1.25) 41(-4.616,0.75) 42(-4.616,0.25) 43(-4.616,-0.25) 44(-4.616,-0.75) 45(-4.616,-1.25) 46(-4.616,-1.75) 47(-4.616,-2.25) 48(-4.616,-2.75)
  Top Layer lines w0.254: -0.25,-4.616 -0.25,-4.616 ; 4.616,0.75 4.616,0.75
  silkscreen extent -3.81,-3.81 3.81,3.81, body extent -4.62,-4.62 4.62,4.62, height 1.53
MDL-SRF05A [mm] "Module SRF05 loai cong"
  rect 2x2 hole 1: 1(-5.078,8.687)
  round 2 hole 1: 2(-2.538,8.687) 3(0.002,8.687) 4(2.542,8.687) 5(5.082,8.687)
  silkscreen extent -22.5,-8.69 22.5,4.91, body extent -22.5,-8.69 22.5,8.96, height 21.52
R-0805 [mm] "Chip Resistor, 2-Leads, Body 2.0x1.3mm, IPC Medium Density"
  rect 0.9x1.35 smd: 1(-1.05,0) 2(1.05,0)
  silkscreen extent -0.38,-0.58 0.38,0.58, body extent -1,-0.63 1,0.63, height 0.5
R-Array-0603-4 [mm] "Chip Resistor Array, 4"
  rect 0.5x1.2 smd: 1(-1.2,-1) 2(-1.2,1) 3(-0.4,-1) 4(-0.4,1) 5(0.4,-1) 6(0.4,1) 7(1.2,-1) 8(1.2,1)
  body extent -1.6,-0.8 1.6,0.8, height 0.51
SK-DIP14-300 [mm] "Length 750mil - Width 320mil"
  rect 1.7x2.2 hole 1: 1(-7.62,-3.81)
  oval 1.7x2.2 hole 1: 2(-5.08,-3.81) 3(-2.54,-3.81) 4(0,-3.81) 5(2.54,-3.81) 6(5.08,-3.81) 7(7.62,-3.81) 8(7.62,3.81) 9(5.08,3.81) 10(2.54,3.81) 11(0,3.81) 12(-2.54,3.81) 13(-5.08,3.81) 14(-7.62,3.81)
  silkscreen extent -9.14,-5.46 9.27,5.46, body extent -9.84,-5.08 9.85,5.08, height 8.57
SK-DIP16-300 [mm] "Length 750mil - Width 320mil"
  rect 1.7x2.2 hole 1: 1(-8.89,-3.81)
  oval 1.7x2.2 hole 1: 2(-6.35,-3.81) 3(-3.81,-3.81) 4(-1.27,-3.81) 5(1.27,-3.81) 6(3.81,-3.81) 7(6.35,-3.81) 8(8.89,-3.81) 9(8.89,3.81) 10(6.35,3.81) 11(3.81,3.81) 12(1.27,3.81) 13(-1.27,3.81) 14(-3.81,3.81) 15(-6.35,3.81) 16(-8.89,3.81)
  silkscreen extent -10.41,-5.46 10.41,5.46, body extent -10.16,-5.31 10.25,5.19, height 8.06
SK-DIP18-300 [mm]
  rect 1.7x2.2 hole 1: 1(-10.16,-3.81)
  oval 1.7x2.2 hole 1: 2(-7.62,-3.81) 3(-5.08,-3.81) 4(-2.54,-3.81) 5(0,-3.81) 6(2.54,-3.81) 7(5.08,-3.81) 8(7.62,-3.81) 9(10.16,-3.81) 10(10.16,3.81) 11(7.62,3.81) 12(5.08,3.81) 13(2.54,3.81) 14(0,3.81) 15(-2.54,3.81) 16(-5.08,3.81) 17(-7.62,3.81) 18(-10.16,3.81)
  silkscreen extent -11.68,-5.46 11.68,5.46, body extent -11.62,-5.08 11.62,5.08, height 8.37
SK-DIP20-300 [mm] "Length 1020mil - Width 300mil"
  rect 1.7x2.2 hole 1: 1(-11.43,-3.81)
  oval 1.7x2.2 hole 1: 2(-8.89,-3.81) 3(-6.35,-3.81) 4(-3.81,-3.81) 5(-1.27,-3.81) 6(1.27,-3.81) 7(3.81,-3.81) 8(6.35,-3.81) 9(8.89,-3.81) 10(11.43,-3.81) 11(11.43,3.81) 12(8.89,3.81) 13(6.35,3.81) 14(3.81,3.81) 15(1.27,3.81) 16(-1.27,3.81) 17(-3.81,3.81) 18(-6.35,3.81) 19(-8.89,3.81) 20(-11.43,3.81)
  silkscreen extent -12.95,-5.46 12.95,5.46, body extent -12.8,-5.08 12.8,5.08, height 8.3
SOIC-8 [mm] "SOIC, 8-Leads, Body 4.9x3.9mm (max), Pitch 1.27mm, IPC Medium Density"
  rect 2.2x0.6 smd: 1(-2.781,1.905)
  oval 2.2x0.6 smd: 2(-2.781,0.635) 3(-2.781,-0.635) 4(-2.781,-1.905) 5(2.781,-1.905) 6(2.781,-0.635) 7(2.781,0.635) 8(2.781,1.905)
  silkscreen extent -1.65,-2.45 1.65,2.45, body extent -3.4,-2.5 3.4,2.5, height 1.75
SOIC-16 [mm]
  oval 0.6x1.5 smd: 1(-4.445,-2.999) 2(-3.175,-2.999) 3(-1.905,-2.999) 4(-0.635,-2.999) 5(0.635,-2.999) 6(1.905,-2.999) 7(3.175,-2.999) 8(4.445,-2.999) 9(4.445,2.999) 10(3.175,2.999) 11(1.905,2.999) 12(0.635,2.999) 13(-0.635,2.999) 14(-1.905,2.999) 15(-3.175,2.999) 16(-4.445,2.999)
  silkscreen extent -4.95,-1.95 4.95,1.95, body extent -4.95,-3 4.95,3, height 1.3
SOIC-18-W [mm]
  oval 0.7x2.5 smd: 1(-5.08,-5.084) 2(-3.81,-5.084) 3(-2.54,-5.084) 4(-1.27,-5.084) 5(0,-5.084) 6(1.27,-5.084) 7(2.54,-5.084) 8(3.81,-5.084) 9(5.08,-5.084) 10(5.08,5.084) 11(3.81,5.084) 12(2.54,5.084) 13(1.27,5.084) 14(0,5.084) 15(-1.27,5.084) 16(-2.54,5.084) 17(-3.81,5.084) 18(-5.08,5.084)
  silkscreen extent -5.87,-3.8 5.88,3.8, body extent -5.87,-5.34 5.88,5.34, height 2.65
SOT-223-3 [mm]
  rect 2.1x0.9 smd: 1(-2.85,2.3) 2(-2.85,0) 3(-2.85,-2.3)
  rect 2.1x3.2 smd: 2(2.85,0)
  silkscreen extent -2.97,-3.35 1.5,3.42, body extent -3.5,-3.25 3.5,3.25, height 1.7
SW-DIP2-SMD [mm]
  rect 1.25x1.25 smd: 1(-1.27,-4.6) 2(1.27,-4.6) 3(1.27,4.6) 4(-1.27,4.6)
  silkscreen extent -2.76,-3 2.76,3, body extent -2.76,-4.85 2.76,4.85, height 3.75
SW-DIP4-SMD [mm]
  rect 1.25x1.25 smd: 1(-3.81,-4.6) 2(-1.27,-4.6) 3(1.27,-4.6) 4(3.81,-4.6) 5(3.81,4.6) 6(1.27,4.6) 7(-1.27,4.6) 8(-3.81,4.6)
  silkscreen extent -5.3,-3 5.3,3, body extent -5.3,-4.85 5.3,4.85, height 3.75
SW-DIP8 [mm]
  rect 1.55x1.8 hole 1: 1(-8.89,-3.81)
  oval 1.55x1.8 hole 1: 2(-6.35,-3.81) 3(-3.81,-3.81) 4(-1.27,-3.81) 5(1.27,-3.81) 6(3.81,-3.81) 7(6.35,-3.81) 8(8.89,-3.81) 9(8.89,3.81) 10(6.35,3.81) 11(3.81,3.81) 12(1.27,3.81) 13(-1.27,3.81) 14(-3.81,3.81) 15(-6.35,3.81) 16(-8.89,3.81)
  silkscreen extent -10.93,-5 10.84,5.05, body extent -10.84,-4.95 10.84,4.95, height 7
SW-SLIDE-2P-2W [mm] "Cong tac gat smd 2 cuc 2 trang thai"
  rect 2x1 smd: 1(-3.2,2.5) 2(-3.2,0) 3(-3.2,-2.5) 4(3.2,-2.5) 5(3.2,0) 6(3.2,2.5)
  silkscreen extent -1.78,-4.52 1.78,4.52, body extent -3.45,-4.53 3.45,4.52, height 5.4
SW-T-S6-SMD [mm] "PushButtonSMD6x6"
  oval 1.25x2.5 smd: 1(-2.25,-4.6) 1(-2.25,4.6) 2(2.25,-4.6) 2(2.25,4.6)
  silkscreen extent -3,-3 3,3, body extent -3,-5 3,5, height 5.1
TER-KF128-3 [mm]
  round 2.5 hole 1.2: 1(-5.08,0) 2(0,0) 3(5.08,0)
  silkscreen extent -8.22,-4.1 7.62,4.1, body extent -8.22,-4.1 7.62,4.1, height 10.05
TO-252-3 [mm] "D-PAK, 3-Pads, Body 6.2x6.7mm (max), IPC Medium Density"
  rect 1.8x1 smd: 1(-3.771,2.28) 3(-3.771,-2.28)
  rect 6x5.6 smd: 2(3.771,0)
  silkscreen extent -1.4,-3.35 4.8,3.35, body extent -4.17,-3.35 5.83,3.35, height 2.55
TO-263-3 [mm] "D2-PAK, 3-Pads, Body 9.0x10.1mm (max), IPC Medium Density"
  rect 4.4x1.8 smd: 1(-6.2,2.54) 3(-6.2,-2.54)
  rect 8.9x10.4 smd: 2(3.95,0)
  silkscreen extent -6.32,-5.05 -0.9,5.05, body extent -7.89,-5.25 7.63,5.25, height 4.65
TQFP-100 [mm]
  rect 0.3x1.5 smd: 1(-6,-7.885) 2(-5.5,-7.885) 3(-5,-7.885) 4(-4.5,-7.885) 5(-4,-7.885) 6(-3.5,-7.885) 7(-3,-7.885) 8(-2.5,-7.885) 9(-2,-7.885) 10(-1.5,-7.885) 11(-1,-7.885) 12(-0.5,-7.885) 13(0,-7.885) 14(0.5,-7.885) 15(1,-7.885) 16(1.5,-7.885) 17(2,-7.885) 18(2.5,-7.885) 19(3,-7.885) 20(3.5,-7.885) 21(4,-7.885) 22(4.5,-7.885) 23(5,-7.885) 24(5.5,-7.885) 25(6,-7.885) 51(6,7.885) 51(6,7.885) 52(5.5,7.885) 53(5,7.885) 54(4.5,7.885) 55(4,7.885) 56(3.5,7.885) 57(3,7.885) 58(2.5,7.885) 59(2,7.885) 60(1.5,7.885) 61(1,7.885) 62(0.5,7.885) 63(0,7.885) 64(-0.5,7.885) 65(-1,7.885) 66(-1.5,7.885) 67(-2,7.885) 68(-2.5,7.885) 69(-3,7.885) 70(-3.5,7.885) 71(-4,7.885) 72(-4.5,7.885) 73(-5,7.885) 74(-5.5,7.885) 75(-6,7.885)
  rect 1.5x0.3 smd: 26(7.885,-6) 27(7.885,-5.5) 28(7.885,-5) 29(7.885,-4.5) 30(7.885,-4) 31(7.885,-3.5) 32(7.885,-3) 33(7.885,-2.5) 34(7.885,-2) 35(7.885,-1.5) 36(7.885,-1) 37(7.885,-0.5) 38(7.885,0) 39(7.885,0.5) 40(7.885,1) 41(7.885,1.5) 42(7.885,2) 43(7.885,2.5) 44(7.885,3) 45(7.885,3.5) 46(7.885,4) 47(7.885,4.5) 48(7.885,5) 49(7.885,5.5) 50(7.885,6) 76(-7.885,6) 76(-7.885,6) 77(-7.885,5.5) 78(-7.885,5) 79(-7.885,4.5) 80(-7.885,4) 81(-7.885,3.5) 82(-7.885,3) 83(-7.885,2.5) 84(-7.885,2) 85(-7.885,1.5) 86(-7.885,1) 87(-7.885,0.5) 88(-7.885,0) 89(-7.885,-0.5) 90(-7.885,-1) 91(-7.885,-1.5) 92(-7.885,-2) 93(-7.885,-2.5) 94(-7.885,-3) 95(-7.885,-3.5) 96(-7.885,-4) 97(-7.885,-4.5) 98(-7.885,-5) 99(-7.885,-5.5) 100(-7.885,-6)
  silkscreen extent -7,-7 7,7, body extent -8.01,-8.01 8.01,8.01, height 1.2
VR-3362P [mm] "Bien tro vuong"
  round 1.6 hole 0.8: 1(-2.54,0) 2(0,2.54) 3(2.54,0)
  silkscreen extent -3.3,-3.75 3.3,3.3, body extent -3.3,-3.75 3.3,3.3, height 4.75